# Allegro board PandaX_III_V3.brd (continued)
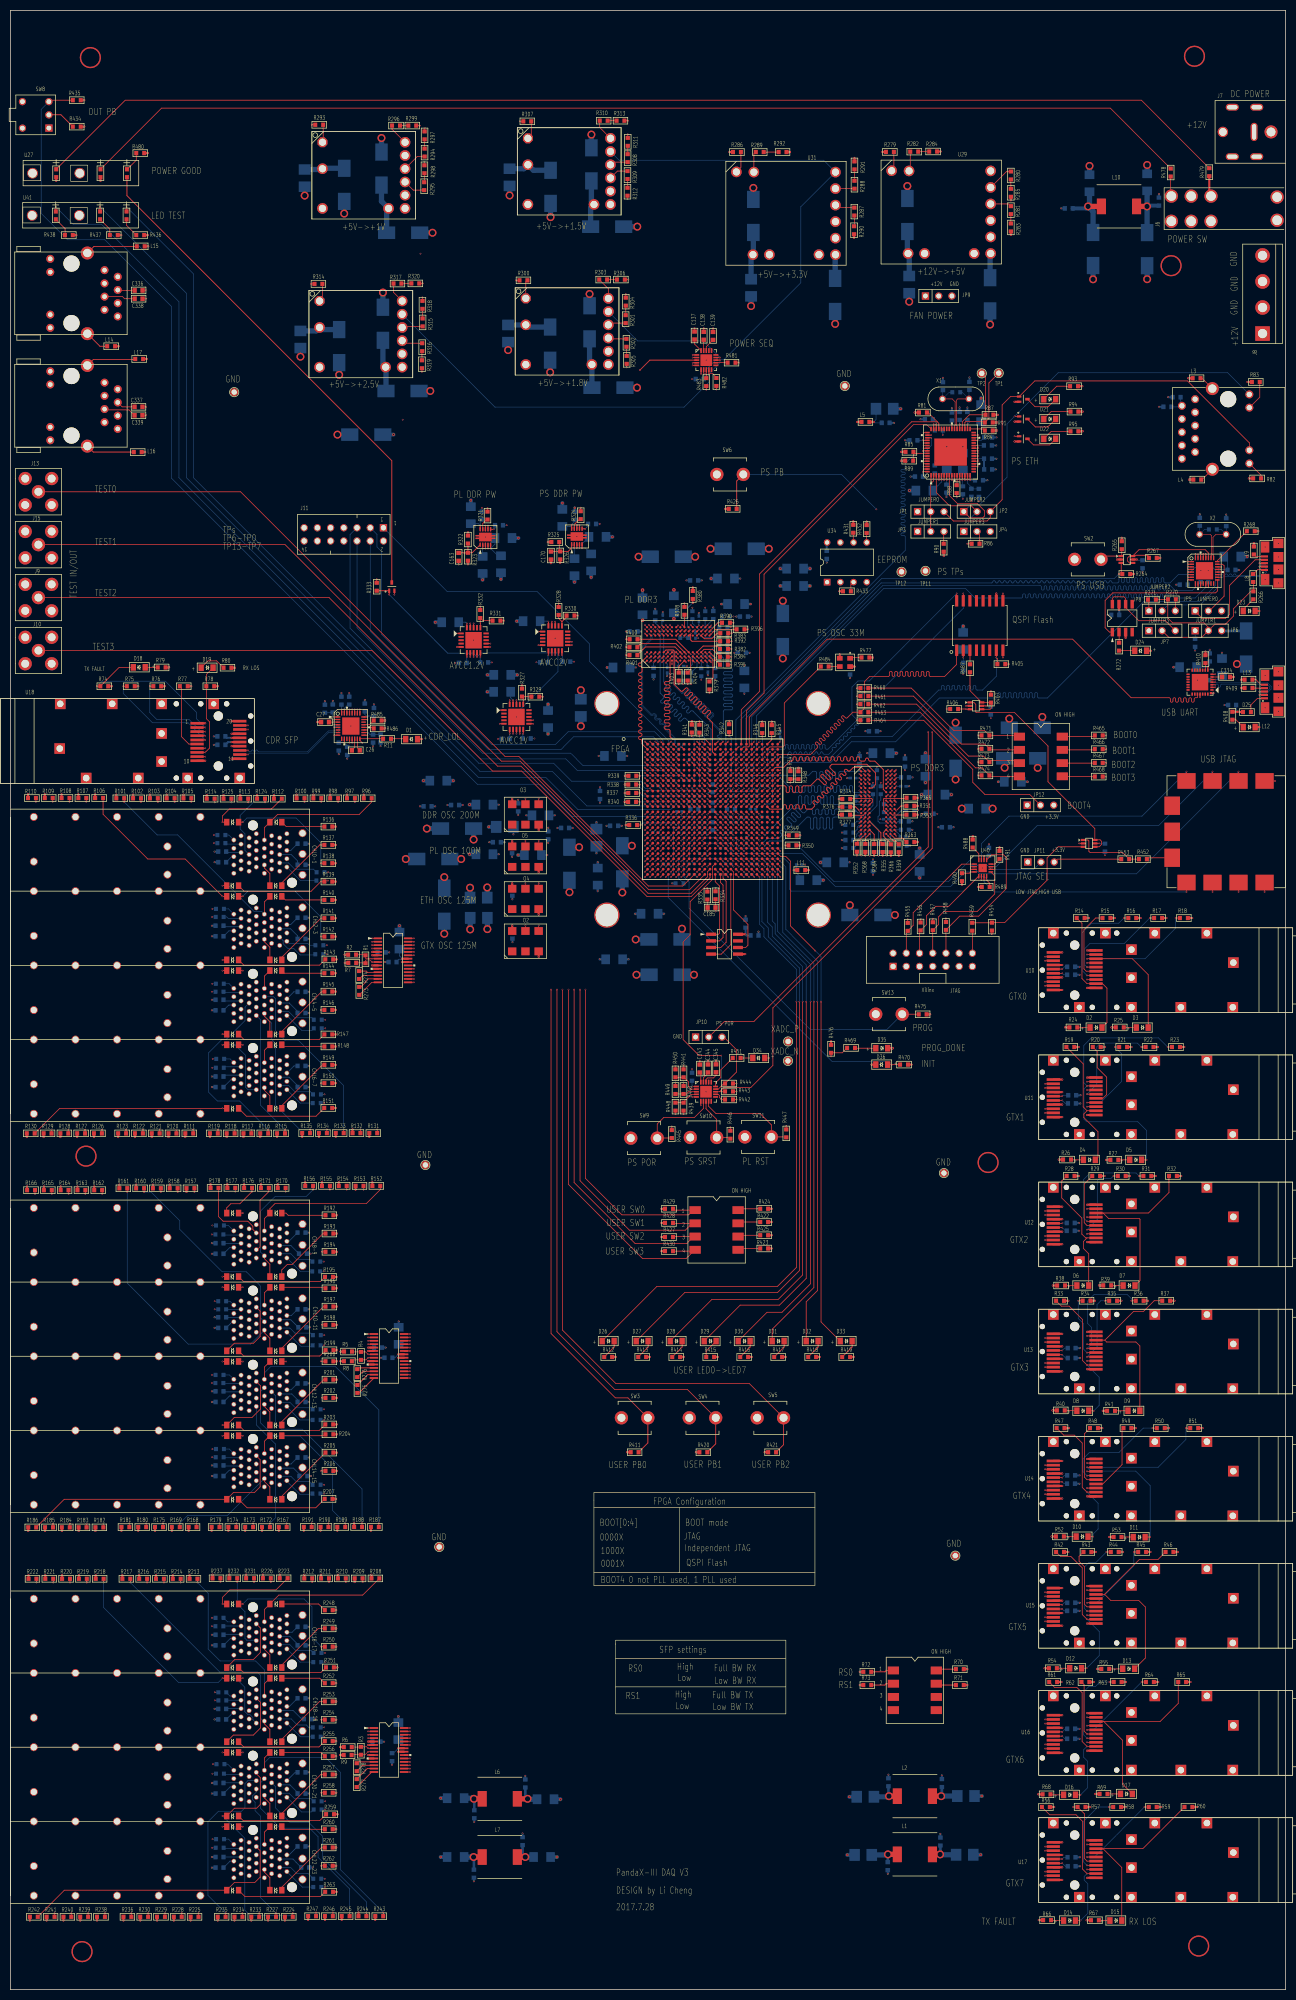
[diagram p0: board, top side]
## Footprints (pads in the part's own frame, mm; a bottom-side part is the same pattern mirrored in y, then rotated) (continued)
  rect 0.254x0.889 smd: 5(-0.749,-1.562) 6(-0.249,-1.562) 7(0.249,-1.562) 8(0.749,-1.562) 13(0.749,1.562) 14(0.249,1.562) 15(-0.249,1.562) 16(-0.749,1.562)
  rect 1.575x1.575 smd: 17(0,0)
QFN_20
  rect 1.016x0.356 smd: 1(-2.4,1.301) 2(-2.4,0.65) 3(-2.4,0) 4(-2.4,-0.65) 5(-2.4,-1.301) 11(2.4,-1.301) 12(2.4,-0.65) 13(2.4,0) 14(2.4,0.65) 15(2.4,1.301)
  rect 0.356x1.016 smd: 6(-1.301,-2.4) 7(-0.65,-2.4) 8(0,-2.4) 9(0.65,-2.4) 10(1.301,-2.4) 16(1.301,2.4) 17(0.65,2.4) 18(0,2.4) 19(-0.65,2.4) 20(-1.301,2.4)
  rect 3.15x3.15 smd: 21(0,0)
QFN_28
  rect 0.61x0.305 smd: 1(-2.296,1.501) 2(-2.296,1.001) 3(-2.296,0.5) 4(-2.296,0) 5(-2.296,-0.5) 6(-2.296,-1.001) 7(-2.296,-1.501) 15(2.296,-1.501) 16(2.296,-1.001) 17(2.296,-0.5) 18(2.296,0) 19(2.296,0.5) 20(2.296,1.001) 21(2.296,1.501)
  rect 0.305x0.61 smd: 8(-1.501,-2.296) 9(-1.001,-2.296) 10(-0.5,-2.296) 11(0,-2.296) 12(0.5,-2.296) 13(1.001,-2.296) 14(1.501,-2.296) 22(1.501,2.296) 23(1.001,2.296) 24(0.5,2.296) 25(0,2.296) 26(-0.5,2.296) 27(-1.001,2.296) 28(-1.501,2.296)
  rect 0.432x0.432 smd: 29(-2.108,2.108)
  rect 3.15x3.15 smd: 30(0,0)
QFN_64
  rect 0.864x0.305 smd: 1(-4.45,3.749) 2(-4.45,3.251) 3(-4.45,2.751) 4(-4.45,2.25) 5(-4.45,1.75) 6(-4.45,1.25) 7(-4.45,0.749) 8(-4.45,0.249) 9(-4.45,-0.249) 10(-4.45,-0.749) 11(-4.45,-1.25) 12(-4.45,-1.75) 13(-4.45,-2.25) 14(-4.45,-2.751) 15(-4.45,-3.251) 16(-4.45,-3.749) 33(4.45,-3.749) 34(4.45,-3.251) 35(4.45,-2.751) 36(4.45,-2.25) 37(4.45,-1.75) 38(4.45,-1.25) 39(4.45,-0.749) 40(4.45,-0.249) 41(4.45,0.249) 42(4.45,0.749) 43(4.45,1.25) 44(4.45,1.75) 45(4.45,2.25) 46(4.45,2.751) 47(4.45,3.251) 48(4.45,3.749)
  rect 0.305x0.864 smd: 17(-3.749,-4.45) 18(-3.251,-4.45) 19(-2.751,-4.45) 20(-2.25,-4.45) 21(-1.75,-4.45) 22(-1.25,-4.45) 23(-0.749,-4.45) 24(-0.249,-4.45) 25(0.249,-4.45) 26(0.749,-4.45) 27(1.25,-4.45) 28(1.75,-4.45) 29(2.25,-4.45) 30(2.751,-4.45) 31(3.251,-4.45) 32(3.749,-4.45) 49(3.749,4.45) 50(3.251,4.45) 51(2.751,4.45) 52(2.25,4.45) 53(1.75,4.45) 54(1.25,4.45) 55(0.749,4.45) 56(0.249,4.45) 57(-0.249,4.45) 58(-0.749,4.45) 59(-1.25,4.45) 60(-1.75,4.45) 61(-2.25,4.45) 62(-2.751,4.45) 63(-3.251,4.45) 64(-3.749,4.45)
  rect 5.207x6.248 smd: 65(0,0)
R-PDSS-T10_CZ
  rrect 1.905x1.905 hole 1.397: 1(-7.935,6.35)
  round 2.032 hole 1.397: 2(-7.935,1.27) 3(-7.935,-6.35) 4(4.765,-6.35) 5(7.935,-6.35) 6(7.935,-3.81) 7(7.935,-1.27) 8(7.935,1.27) 9(7.935,3.81) 10(7.935,6.35)
RJ45-HFJ11-1G01E-L12RL
  round 3.099 hole 3.251 unplated: (-11.43,0) (0,0)
  round 1.524 hole 1.016: 1(-11.43,8.89) 2(-10.16,6.35) 3(-8.89,8.89) 4(-7.62,6.35) 5(-6.35,8.89) 6(-5.08,6.35) 7(-3.81,8.89) 8(-2.54,6.35) 9(-1.27,8.89) 10(0,6.35) 11(-12.344,-4.064) 12(-9.804,-4.064) 13(-1.626,-4.064) 14(0.914,-4.064)
  round 2.489 hole 1.6: 15(-13.462,3.048) 16(2.032,3.048)
RJ45_HFJ11-100M
  round 3.099 hole 3.251 unplated: (-5.715,0) (5.715,0)
  round 1.524 hole 0.889: 1(-4.45,6.35) 2(-3.18,8.89) 3(-1.91,6.35) 4(-0.64,8.89) 5(0.63,6.35) 6(1.9,8.89) 7(3.17,6.35) 8(4.44,8.89) 9(-6.624,-4.079) 10(-4.084,-4.079) 11(4.084,-4.079) 12(6.624,-4.079)
  round 2.489 hole 1.6: SH1(-7.745,3.05) SH2(7.745,3.05)
SC70_6
  rect 1.016x0.406 smd: 1(-1.1,0.658) 2(-1.1,0) 3(-1.1,-0.658) 4(1.1,-0.658) 5(1.1,0) 6(1.1,0.658)
SC0402
  rect 0.635x0.508 smd: 1(-0.508,0) 2(0.508,0)
SC0603
  rect 0.813x0.889 smd: 1(-0.762,0) 2(0.762,0)
SD0805
  rect 1.016x1.27 smd: 1(-1.143,0) 2(1.143,0)
SIP-3P
  rect 1.397x1.397 hole 0.914: 1(-2.54,0)
  round 1.397 hole 0.914: 2(0,0) 3(2.54,0)
SIP-4P-196
  rect 2.794x2.794 hole 1.778: 1(-5.944,0)
  round 2.794 hole 1.778: 2(-0.944,0) 3(4.056,0) 4(9.056,0)
SO16_WIDE
  rect 0.584x2.184 smd: 1(-4.445,-4.75) 2(-3.175,-4.75) 3(-1.905,-4.75) 4(-0.635,-4.75) 5(0.635,-4.75) 6(1.905,-4.75) 7(3.175,-4.75) 8(4.445,-4.75) 9(4.445,4.75) 10(3.175,4.75) 11(1.905,4.75) 12(0.635,4.75) 13(-0.635,4.75) 14(-1.905,4.75) 15(-3.175,4.75) 16(-4.445,4.75)
SOIC_8
  rect 1.905x0.635 smd: 1(-2.578,1.905) 2(-2.578,0.635) 3(-2.578,-0.635) 4(-2.578,-1.905) 5(2.578,-1.905) 6(2.578,-0.635) 7(2.578,0.635) 8(2.578,1.905)
SON10_TPS51200
  custom 0.07x0.07 smd: 1(-1.001,-1.476) 2(-0.5,-1.476) 3(0,-1.476) 4(0.5,-1.476) 5(1.001,-1.476) 6(1.001,1.476) 7(0.5,1.476) 8(0,1.476) 9(-0.5,1.476) 10(-1.001,1.476)
  custom 0.413x0.413 smd: 11(0,0)
SOP127P500X600_8
  rect 1.651x0.635 smd: 1(-2.68,1.905) 2(-2.68,0.635) 3(-2.68,-0.635) 4(-2.68,-1.905) 5(2.68,-1.905) 6(2.68,-0.635) 7(2.68,0.635) 8(2.68,1.905)
SR0603
  rect 0.762x0.813 smd: 1(-0.762,0) 2(0.762,0)
SW-PUSH-DOWN
  rect 1.397x1.397 hole 0.914: 1(-2.54,2.54)
  round 1.397 hole 0.914: 2(-2.54,0) 3(-2.54,-2.54) 4(2.54,2.54) 5(2.54,-2.54)
SW_SDA_8P
  rect 2.159x1.499 smd: 1(-4.128,3.81) 2(-4.128,1.27) 3(-4.128,-1.27) 4(-4.128,-3.81) 5(4.128,-3.81) 6(4.128,-1.27) 7(4.128,1.27) 8(4.128,3.81)
TQFN_20
  rect 0.95x0.3 smd: 1(-1.839,1.001) 2(-1.839,0.5) 3(-1.839,0) 4(-1.839,-0.5) 5(-1.839,-1.001) 11(1.839,-1.001) 12(1.839,-0.5) 13(1.839,0) 14(1.839,0.5) 15(1.839,1.001)
  rect 0.3x0.95 smd: 6(-1.001,-1.839) 7(-0.5,-1.839) 8(0,-1.839) 9(0.5,-1.839) 10(1.001,-1.839) 16(1.001,1.839) 17(0.5,1.839) 18(0,1.839) 19(-0.5,1.839) 20(-1.001,1.839)
  rect 2.23x2.23 smd: 21(0,0)
TSSOP_28
  rect 1.626x0.33 smd: 1(-2.901,4.224) 2(-2.901,3.574) 3(-2.901,2.926) 4(-2.901,2.276) 5(-2.901,1.626) 6(-2.901,0.975) 7(-2.901,0.325) 8(-2.901,-0.325) 9(-2.901,-0.975) 10(-2.901,-1.626) 11(-2.901,-2.276) 12(-2.901,-2.926) 13(-2.901,-3.574) 14(-2.901,-4.224) 15(2.901,-4.224) 16(2.901,-3.574) 17(2.901,-2.926) 18(2.901,-2.276) 19(2.901,-1.626) 20(2.901,-0.975) 21(2.901,-0.325) 22(2.901,0.325) 23(2.901,0.975) 24(2.901,1.626) 25(2.901,2.276) 26(2.901,2.926) 27(2.901,3.574) 28(2.901,4.224)
unnamed
  round 4.826 hole 4.318: (0,0)
USB3320_QFN32
  rect 0.864x0.254 smd: 1(-2.451,1.75) 2(-2.451,1.25) 3(-2.451,0.749) 4(-2.451,0.249) 5(-2.451,-0.249) 6(-2.451,-0.749) 7(-2.451,-1.25) 8(-2.451,-1.75) 17(2.451,-1.75) 18(2.451,-1.25) 19(2.451,-0.749) 20(2.451,-0.249) 21(2.451,0.249) 22(2.451,0.749) 23(2.451,1.25) 24(2.451,1.75)
  rect 0.254x0.864 smd: 9(-1.75,-2.451) 10(-1.25,-2.451) 11(-0.749,-2.451) 12(-0.249,-2.451) 13(0.249,-2.451) 14(0.749,-2.451) 15(1.25,-2.451) 16(1.75,-2.451) 25(1.75,2.451) 26(1.25,2.451) 27(0.749,2.451) 28(0.249,2.451) 29(-0.249,2.451) 30(-0.749,2.451) 31(-1.25,2.451) 32(-1.75,2.451)
  rect 3.302x3.302 smd: 33(0,0)
XO32
  rect 0.899x1.1 smd: 1(-0.8,1) 2(-0.8,-1) 3(0.8,-1) 4(0.8,1)
XO75L
  rect 1.6x1.499 smd: 1(-2.54,-1.956) 2(0,-1.956) 3(2.54,-1.956) 4(2.54,1.956) 5(0,1.956) 6(-2.54,1.956)
XTAL2-200A
  round 1.27 hole 0.813: 1(-2.54,0) 2(2.54,0)

## Nets
AVCC1V: C178.1 C227.1 C228.1 C229.1 R327.1 U1.AA4(MGTAVCC#AA4) U1.AA8(MGTAVCC#AA8) U1.AB6(MGTAVCC#AB6) U1.AC8(MGTAVCC#AC8) U1.AD6(MGTAVCC#AD6) U1.AE8(MGTAVCC#AE8) U1.R4(MGTAVCC#R4) U1.T6(MGTAVCC#T6) U1.U4(MGTAVCC#U4) U1.Y6(MGTAVCC#Y6) U20.1(OUT1) U20.18(OUT2) U20.19(OUT3) U20.20(OUT4)
AVCC1V2: C183.1 C230.1 R331.1 R344.2 U1.AB2(MGTAVTT#AB2) U1.AB7(MGTAVTTRCAL_112) U1.AC4(MGTAVTT#AC4) U1.AD2(MGTAVTT#AD2) U1.AE4(MGTAVTT#AE4) U1.AF2(MGTAVTT#AF2) U1.AF6(MGTAVTT#AF6) U1.T2(MGTAVTT#T2) U1.V2(MGTAVTT#V2) U1.W4(MGTAVTT#W4) U1.Y2(MGTAVTT#Y2) U22.1(OUT1) U22.18(OUT2) U22.19(OUT3) U22.20(OUT4)
AVCC2V: C179.1 C226.1 R328.1 U1.M10(VCCAUX_IO_G0#M10) U1.P10(VCCAUX_IO_G0#P10) U1.T10(VCCAUX_IO_G0#T10) U21.1(OUT1) U21.18(OUT2) U21.19(OUT3) U21.20(OUT4)
GND: C7.2 C8.1 C9.1 C10.2 C11.1 C12.1 C13.2 C14.1 C15.1 C20.1 C21.1 C22.1 C23.1 C24.1 C25.1 C27.1 C30.1 C31.1 C32.1 C33.1 C34.2 C35.2 C36.2 C37.2 C38.2 C39.2 C40.2 C41.2 C42.2 C43.2 C44.2 C45.2 C46.2 C47.2 C48.2 C49.2 C50.2 C51.2 C52.2 C53.2 C54.2 C55.2 C56.2 C57.2 C58.2 C59.2 C60.2 C61.2 C62.2 C63.2 C64.2 C65.2 C66.2 C67.2 C68.2 C69.2 C70.1 C71.2 C72.2 C73.1 C74.1 C75.1 C76.1 C77.1 C78.1 C79.1 C80.1 C81.1 C82.1 C83.1 C84.1 C85.1 C86.1 C87.1 C88.1 C89.1 C90.1 C91.1 C92.1 C93.1 C94.1 C95.1 C96.1 C97.1 C98.1 C99.1 C100.1 C101.1 C102.1 C103.1 C104.1 C105.1 C106.1 C107.1 C108.1 C109.1 C110.1 C111.1 C112.1 C113.1 C114.1 C115.1 C116.1 C117.1 C118.1 C119.1 C120.1 C121.2 C122.2 C123.2 C124.2 C125.2 C126.2 C127.2 C128.2 C129.2 C130.2 C131.2 C132.2 C133.2 C134.2 C135.2 C136.2 C137.2 C138.2 C139.2 C140.2 C141.2 C142.2 C143.2 C144.2 C145.2 C146.2 C147.2 C148.2 C149.2 C150.2 C151.2 C152.2 C153.2 C154.2 C155.2 C156.2 C157.2 C158.2 C159.2 C160.2 C161.2 C162.2 C163.2 C164.2 C165.2 C166.2 C167.2 C168.2 C169.2 C170.2 C171.2 C172.2 C173.2 C174.2 C175.2 C176.2 C177.2 C178.2 C179.2 C180.2 C181.2 C182.2 C183.2 C184.2 C186.2 C187.1 C188.1 C189.1 C190.1 C191.2 C192.2 C193.2 C194.2 C195.2 C196.2 C197.2 C198.2 C199.2 C200.2 C201.2 C203.2 C204.2 C205.2 C206.2 C207.2 C208.2 C209.2 C210.2 C211.2 C212.2 C213.2 C214.2 C215.2 C216.2 C217.2 C218.2 C219.2 C220.2 C221.2 C222.2 C223.2 C224.2 C225.2 C226.2 C227.2 C228.2 C229.2 C230.2 C231.2 C232.2 C233.2 C234.2 C235.2 C236.2 C237.2 C238.2 C239.2 C240.2 C241.2 C242.2 C243.2 C244.2 C245.2 C246.2 C247.2 C248.2 C249.2 C250.2 C251.2 C252.2 C253.2 C254.2 C255.2 C256.2 C257.2 C258.2 C259.2 C260.2 C261.2 C262.2 C263.2 C264.2 C265.2 C266.2 C267.2 C268.2 C269.2 C270.2 C271.2 C272.2 C273.2 C274.2 C275.2 C276.2 C277.2 C278.2 C279.2 C280.2 C281.2 C282.2 C283.2 C284.2 C285.2 C286.2 C287.2 C288.2 C289.2 C290.2 C291.2 C292.2 C293.2 C294.2 C295.2 C296.2 C297.2 C298.2 C299.2 C300.2 C301.2 C302.2 C303.2 C304.2 C305.2 C306.2 C307.2 C308.2 C309.2 C310.2 C311.2 C312.2 C313.2 C314.2 C315.2 C316.2 C317.2 C318.2 C319.2 C320.2 C321.2 C322.2 C323.2 C324.2 C325.2 C326.2 C327.2 C328.2 C329.2 C330.2 C331.2 C332.2 C333.2 C334.2 C335.2 C340.2 C341.2 C342.2 C343.2 C344.2 C345.2 C346.2 C347.2 C348.2 C350.2 C351.2 C354.2 C355.2 C357.2 C358.2 C481.2 C482.2 C483.2 C484.2 C485.2 C486.2 C487.2 C488.2 C489.2 C490.2 C491.2 C492.2 C493.2 C494.2 C495.2 C496.2 C497.2 C498.2 C499.2 C500.1 C501.1 C502.1 C503.2 D23.2(CATHODE) D25.2(CATHODE) D35.2(CATHODE) D36.2(CATHODE) DU3.5(GND) J1.10(GND) J2.6(SHIELD6) J2.7(SHIELD4) J2.8(SHIELD2) J2.9(SHIELD3) J2.10(SHIELD1) J2.11(SHIELD5) J3.1L1(VEET#1L1) J3.1L3(TXDISABLE) J3.1L9(VEER#1L9) J3.1L10(VEER#1L10) J3.1L11(VEER#1L11) J3.1L14(VEER#1L14) J3.1L17(VEET#1L17) J3.1L20(VEET#1L20) J3.1T1(VEET#1T1) J3.1T3(TXDISABLE) J3.1T9(VEER#1T9) J3.1T10(VEER#1T10) J3.1T11(VEER#1T11) J3.1T14(VEER#1T14) J3.1T17(VEET#1T17) J3.1T20(VEET#1T20) J3.2L1(VEET#2L1) J3.2L3(TXDISABLE) J3.2L9(VEER#2L9) J3.2L10(VEER#2L10) J3.2L11(VEER#2L11) J3.2L14(VEER#2L14) J3.2L17(VEET#2L17) J3.2L20(VEET#2L20) J3.2T1(VEET#2T1) J3.2T3(TXDISABLE) J3.2T9(VEER#2T9) J3.2T10(VEER#2T10) J3.2T11(VEER#2T11) J3.2T14(VEER#2T14) J3.2T17(VEET#2T17) J3.2T20(VEET#2T20) J3.3L1(VEET#3L1) J3.3L3(TXDISABLE) J3.3L9(VEER#3L9) J3.3L10(VEER#3L10) J3.3L11(VEER#3L11) J3.3L14(VEER#3L14) J3.3L17(VEET#3L17) J3.3L20(VEET#3L20) J3.3T1(VEET#3T1) J3.3T3(TXDISABLE) J3.3T9(VEER#3T9) J3.3T10(VEER#3T10) J3.3T11(VEER#3T11) J3.3T14(VEER#3T14) J3.3T17(VEET#3T17) J3.3T20(VEET#3T20) J3.4L1(VEET#4L1) J3.4L3(TXDISABLE) J3.4L9(VEER#4L9) J3.4L10(VEER#4L10) J3.4L11(VEER#4L11) J3.4L14(VEER#4L14) J3.4L17(VEET#4L17) J3.4L20(VEET#4L20) J3.4T1(VEET#4T1) J3.4T3(TXDISABLE) J3.4T9(VEER#4T9) J3.4T10(VEER#4T10) J3.4T11(VEER#4T11) J3.4T14(VEER#4T14) J3.4T17(VEET#4T17) J3.4T20(VEET#4T20) J3.G1(GND#G1) J3.G2(GND#G2) J3.G3(GND#G3) J3.G4(GND#G4) J3.G5(GND#G5) J3.G6(GND#G6) J3.G7(GND#G7) J3.G8(GND#G8) J3.G9(GND#G9) J3.G10(GND#G10) J3.G11(GND#G11) J3.G12(GND#G12) J3.G21(GND#G21) J3.G22(GND#G22) J3.G23(GND#G23) J3.G24(GND#G24) J3.G25(GND#G25) J3.G26(GND#G26) J3.G27(GND#G27) J3.G28(GND#G28) J3.G29(GND#G29) J3.G30(GND#G30) J3.G31(GND#G31) J3.G32(GND#G32) J3.G33(GND#G33) J3.G34(GND#G34) J3.G35(GND#G35) J3.G36(GND#G36) J3.G37(GND#G37) J3.G38(GND#G38) J3.G39(GND#G39) J3.G40(GND#G40) J3.G41(GND#G41) J3.G42(GND#G42) J3.G43(GND#G43) J3.G44(GND#G44) J3.G45(GND#G45) J3.G46(GND#G46) J3.G47(GND#G47) J3.G48(GND#G48) J3.G49(GND#G49) J3.G50(GND#G50) J3.G51(GND#G51) J3.G52(GND#G52) J3.G53(GND#G53) J3.G54(GND#G54) J3.G55(GND#G55) J3.G56(GND#G56) J3.G57(GND#G57) J4.1L1(VEET#1L1) J4.1L3(TXDISABLE) J4.1L9(VEER#1L9) J4.1L10(VEER#1L10) J4.1L11(VEER#1L11) J4.1L14(VEER#1L14) J4.1L17(VEET#1L17) J4.1L20(VEET#1L20) J4.1T1(VEET#1T1) J4.1T3(TXDISABLE) J4.1T9(VEER#1T9) J4.1T10(VEER#1T10) J4.1T11(VEER#1T11) J4.1T14(VEER#1T14) J4.1T17(VEET#1T17) J4.1T20(VEET#1T20) J4.2L1(VEET#2L1) J4.2L3(TXDISABLE) J4.2L9(VEER#2L9) J4.2L10(VEER#2L10) J4.2L11(VEER#2L11) J4.2L14(VEER#2L14) J4.2L17(VEET#2L17) J4.2L20(VEET#2L20) J4.2T1(VEET#2T1) J4.2T3(TXDISABLE) J4.2T9(VEER#2T9) J4.2T10(VEER#2T10) J4.2T11(VEER#2T11) J4.2T14(VEER#2T14) J4.2T17(VEET#2T17) J4.2T20(VEET#2T20) J4.3L1(VEET#3L1) J4.3L3(TXDISABLE) J4.3L9(VEER#3L9) J4.3L10(VEER#3L10) J4.3L11(VEER#3L11) J4.3L14(VEER#3L14) J4.3L17(VEET#3L17) J4.3L20(VEET#3L20) J4.3T1(VEET#3T1) J4.3T3(TXDISABLE) J4.3T9(VEER#3T9) J4.3T10(VEER#3T10) J4.3T11(VEER#3T11) J4.3T14(VEER#3T14) J4.3T17(VEET#3T17) J4.3T20(VEET#3T20) J4.4L1(VEET#4L1) J4.4L3(TXDISABLE) J4.4L9(VEER#4L9) J4.4L10(VEER#4L10) J4.4L11(VEER#4L11) J4.4L14(VEER#4L14) J4.4L17(VEET#4L17) J4.4L20(VEET#4L20) J4.4T1(VEET#4T1) J4.4T3(TXDISABLE) J4.4T9(VEER#4T9) J4.4T10(VEER#4T10) J4.4T11(VEER#4T11) J4.4T14(VEER#4T14) J4.4T17(VEET#4T17) J4.4T20(VEET#4T20) J4.G1(GND#G1) J4.G2(GND#G2) J4.G3(GND#G3) J4.G4(GND#G4) J4.G5(GND#G5) J4.G6(GND#G6) J4.G7(GND#G7) J4.G8(GND#G8) J4.G9(GND#G9) J4.G10(GND#G10) J4.G11(GND#G11) J4.G12(GND#G12) J4.G21(GND#G21) J4.G22(GND#G22) J4.G23(GND#G23) J4.G24(GND#G24) J4.G25(GND#G25) J4.G26(GND#G26) J4.G27(GND#G27) J4.G28(GND#G28) J4.G29(GND#G29) J4.G30(GND#G30) J4.G31(GND#G31) J4.G32(GND#G32) J4.G33(GND#G33) J4.G34(GND#G34) J4.G35(GND#G35) J4.G36(GND#G36) J4.G37(GND#G37) J4.G38(GND#G38) J4.G39(GND#G39) J4.G40(GND#G40) J4.G41(GND#G41) J4.G42(GND#G42) J4.G43(GND#G43) J4.G44(GND#G44) J4.G45(GND#G45) J4.G46(GND#G46) J4.G47(GND#G47) J4.G48(GND#G48) J4.G49(GND#G49) J4.G50(GND#G50) J4.G51(GND#G51) J4.G52(GND#G52) J4.G53(GND#G53) J4.G54(GND#G54) J4.G55(GND#G55) J4.G56(GND#G56) J4.G57(GND#G57) J5.1L1(VEET#1L1) J5.1L3(TXDISABLE) J5.1L9(VEER#1L9) J5.1L10(VEER#1L10) J5.1L11(VEER#1L11) J5.1L14(VEER#1L14) J5.1L17(VEET#1L17) J5.1L20(VEET#1L20) J5.1T1(VEET#1T1) J5.1T3(TXDISABLE) J5.1T9(VEER#1T9) J5.1T10(VEER#1T10) J5.1T11(VEER#1T11) J5.1T14(VEER#1T14) J5.1T17(VEET#1T17) J5.1T20(VEET#1T20) J5.2L1(VEET#2L1) J5.2L3(TXDISABLE) J5.2L9(VEER#2L9) J5.2L10(VEER#2L10) J5.2L11(VEER#2L11) J5.2L14(VEER#2L14) J5.2L17(VEET#2L17) J5.2L20(VEET#2L20) J5.2T1(VEET#2T1) J5.2T3(TXDISABLE) J5.2T9(VEER#2T9) J5.2T10(VEER#2T10) J5.2T11(VEER#2T11) J5.2T14(VEER#2T14) J5.2T17(VEET#2T17) J5.2T20(VEET#2T20) J5.3L1(VEET#3L1) J5.3L3(TXDISABLE) J5.3L9(VEER#3L9) J5.3L10(VEER#3L10) J5.3L11(VEER#3L11) J5.3L14(VEER#3L14) J5.3L17(VEET#3L17) J5.3L20(VEET#3L20) J5.3T1(VEET#3T1) J5.3T3(TXDISABLE) J5.3T9(VEER#3T9) J5.3T10(VEER#3T10) J5.3T11(VEER#3T11) J5.3T14(VEER#3T14) J5.3T17(VEET#3T17) J5.3T20(VEET#3T20) J5.4L1(VEET#4L1) J5.4L3(TXDISABLE) J5.4L9(VEER#4L9) J5.4L10(VEER#4L10) J5.4L11(VEER#4L11) J5.4L14(VEER#4L14) J5.4L17(VEET#4L17) J5.4L20(VEET#4L20) J5.4T1(VEET#4T1) J5.4T3(TXDISABLE) J5.4T9(VEER#4T9) J5.4T10(VEER#4T10) J5.4T11(VEER#4T11) J5.4T14(VEER#4T14) J5.4T17(VEET#4T17) J5.4T20(VEET#4T20) J5.G1(GND#G1) J5.G2(GND#G2) J5.G3(GND#G3) J5.G4(GND#G4) J5.G5(GND#G5) J5.G6(GND#G6) J5.G7(GND#G7) J5.G8(GND#G8) J5.G9(GND#G9) J5.G10(GND#G10) J5.G11(GND#G11) J5.G12(GND#G12) J5.G21(GND#G21) J5.G22(GND#G22) J5.G23(GND#G23) J5.G24(GND#G24) J5.G25(GND#G25) J5.G26(GND#G26) J5.G27(GND#G27) J5.G28(GND#G28) J5.G29(GND#G29) J5.G30(GND#G30) J5.G31(GND#G31) J5.G32(GND#G32) J5.G33(GND#G33) J5.G34(GND#G34) J5.G35(GND#G35) J5.G36(GND#G36) J5.G37(GND#G37) J5.G38(GND#G38) J5.G39(GND#G39) J5.G40(GND#G40) J5.G41(GND#G41) J5.G42(GND#G42) J5.G43(GND#G43) J5.G44(GND#G44) J5.G45(GND#G45) J5.G46(GND#G46) J5.G47(GND#G47) J5.G48(GND#G48) J5.G49(GND#G49) J5.G50(GND#G50) J5.G51(GND#G51) J5.G52(GND#G52) J5.G53(GND#G53) J5.G54(GND#G54) J5.G55(GND#G55) J5.G56(GND#G56) J5.G57(GND#G57) J6.7(GND1) J6.8(GND2) J7.2(GND) J7.3(GND1) J7.4(GND2) J7.5(GND3) J7.6(GND4) J7.7(GND5) J8.2 J8.3 J8.4 J9.2 J9.3 J9.4 J9.5 J10.2 J10.3 J10.4 J10.5 J12.1 J12.3 J12.5 J12.7 J12.9 J12.11 J12.13 J13.2 J13.3 J13.4 J13.5 J14.6(SHIELD6) J14.7(SHIELD4) J14.8(SHIELD2) J14.9(SHIELD3) J14.10(SHIELD1) J14.11(SHIELD5) J15.2 J15.3 J15.4 J15.5 JP4.3 JP9.3 JP10.1 JP11.1 JP12.1 L3.1 L4.1 L9.2 L13.2 L14.1 L15.1 L16.1 L17.1 O1.2(GND) O2.3(GND) O3.3(GND) O4.3(GND) O5.3(GND) Q1.1(S) Q2.1(S) Q3.1(S) Q4.1(S) R7.2 R8.2 R9.2 R72.1 R73.1 R84.1 R87.1 R88.1 R89.1 R90.1 R91.1 R268.1 R279.1 R283.1 R284.1 R286.1 R291.1 R292.1 R293.1 R298.1 R299.1 R300.1 R305.1 R306.1 R307.1 R312.1 R313.1 R314.1 R319.1 R320.1 R323.1 R326.1 R329.2 R330.2 R332.2 R339.1 R340.1 R341.1 R343.1 R346.1 R348.1 R350.1 R352.1 R353.1 R379.1 R380.1 R409.1 R411.1 R412.2 R413.2 R414.2 R415.2 R416.2 R417.2 R418.2 R419.2 R420.1 R421.1 R426.1 R427.1 R428.1 R429.1 R430.1 R435.1 R436.2 R437.2 R438.2 R448.1 R449.1 R450.1 R471.1 R472.1 R473.1 R474.1 SW2.1 SW8.1(GND2) SW8.4(GND3) SW8.5(GND1) SW9.1 SW10.1 SW11.1 SW13.1 TP3.1(TP) TP4.1(TP) TP5.1(TP) TP6.1(TP) TP7.1(TP) TP8.1(TP) U1.A1(GND#A1) U1.A11(GND#A11) U1.A21(GND#A21) U1.AA3(GND#AA3) U1.AA7(GND#AA7) U1.AA9(GND#AA9) U1.AA11(GND#AA11) U1.AA21(GND#AA21) U1.AB1(GND#AB1) U1.AB5(GND#AB5) U1.AB9(GND#AB9) U1.AB18(GND#AB18) U1.AC3(GND#AC3) U1.AC7(GND#AC7) U1.AC9(GND#AC9) U1.AC15(GND#AC15) U1.AC25(GND#AC25) U1.AD1(GND#AD1) U1.AD5(GND#AD5) U1.AD9(GND#AD9) U1.AD12(GND#AD12) U1.AD22(GND#AD22) U1.AE3(GND#AE3) U1.AE7(GND#AE7) U1.AE9(GND#AE9) U1.AE19(GND#AE19) U1.AF1(GND#AF1) U1.AF5(GND#AF5) U1.AF9(GND#AF9) U1.AF16(GND#AF16) U1.AF26(GND#AF26) U1.B8(GND#B8) U1.B18(GND#B18) U1.C5(GND#C5) U1.C15(GND#C15) U1.C25(GND#C25) U1.D2(GND#D2) U1.D12(GND#D12) U1.D22(GND#D22) U1.E9(GND#E9) U1.E19(GND#E19) U1.F6(GND#F6) U1.F16(GND#F16) U1.F26(GND#F26) U1.G3(GND#G3) U1.G13(GND#G13) U1.G23(GND#G23) U1.H10(GND#H10) U1.H20(GND#H20) U1.J7(GND#J7) U1.J17(GND#J17) U1.K4(GND#K4) U1.K14(GND#K14) U1.K24(GND#K24) U1.L1(GND#L1) U1.L10(GND#L10) U1.L12(GND#L12) U1.L14(GND#L14) U1.L16(GND#L16) U1.L18(GND#L18) U1.L21(GND#L21) U1.M9(GND#M9) U1.M11(GND#M11) U1.M13(GNDADC_0) U1.M15(GND#M15) U1.M17(GND#M17) U1.M19(GND#M19) U1.N5(GND#N5) U1.N10(GND#N10) U1.N12(GND#N12) U1.N13(VREFN_0) U1.N16(GND#N16) U1.N18(GND#N18) U1.N25(GND#N25) U1.P1(GND#P1) U1.P2(GND#P2) U1.P3(GND#P3) U1.P4(GND#P4) U1.P5(GND#P5) U1.P6(GND#P6) U1.P7(GND#P7) U1.P9(GND#P9) U1.P11(GND#P11) U1.P14(VREFP_0) U1.P15(GND#P15) U1.P17(GND#P17) U1.P19(GND#P19) U1.P22(GND#P22) U1.R3(GND#R3) U1.R7(GND#R7) U1.R10(GND#R10) U1.R12(GND#R12) U1.R13(DXN_0) U1.R14(DXP_0) U1.R16(GND#R16) U1.R18(GND#R18) U1.T1(GND#T1) U1.T5(GND#T5) U1.T9(GND#T9) U1.T11(GND#T11) U1.T13(GND#T13) U1.T15(GND#T15) U1.T17(GND#T17) U1.T19(GND#T19) U1.T26(GND#T26) U1.U3(GND#U3) U1.U7(GND#U7) U1.U10(GND#U10) U1.U12(GND#U12) U1.U14(GND#U14) U1.U16(GND#U16) U1.U18(GND#U18) U1.U23(GND#U23) U1.V1(GND#V1) U1.V5(GND#V5) U1.V7(GND#V7) U1.V13(RSVDGND) U1.V15(VCCBATT_0) U1.V17(GND#V17) U1.V20(GND#V20) U1.W3(GND#W3) U1.W7(GND#W7) U1.Y1(GND#Y1) U1.Y5(GND#Y5) U1.Y7(GND#Y7) U1.Y8(GND#Y8) U1.Y9(GND#Y9) U1.Y14(GND#Y14) U1.Y24(GND#Y24) U2.6(VSS#6) U2.9(VSS#9) U2.21(VSS#21) U3.6(VSS#6) U3.9(VSS#9) U3.21(VSS#21) U4.8(VEE#8) U4.13(VEE#13) U4.17(VEE#17) U4.19(SADDR5) U4.23(VEE#23) U4.27(SQUELCH) U4.30(VEE#30) U4.33(EP) U6.12(DIS_REG12) U6.65(EPAD) U7.2(GND) U8.33(CTR_GND) U9.3(GND) U10.1(VEET#1) U10.10(VEER#10) U10.11(VEER#11) U10.14(VEER#14) U10.17(VEET#17) U10.20(VEET#20) U10.23(GND#23) U10.24(GND#24) U10.26(GND#26) U10.29(GND#29) U10.34(GND#34) U10.37(GND#37) U10.38(GND#38) U10.39(GND#39) U10.40(GND#40) U10.41(GND#41) U10.42(GND#42) U11.1(VEET#1) U11.10(VEER#10) U11.11(VEER#11) U11.14(VEER#14) U11.17(VEET#17) U11.20(VEET#20) U11.23(GND#23) U11.24(GND#24) U11.26(GND#26) U11.29(GND#29) U11.34(GND#34) U11.37(GND#37) U11.38(GND#38) U11.39(GND#39) U11.40(GND#40) U11.41(GND#41) U11.42(GND#42) U12.1(VEET#1) U12.10(VEER#10) U12.11(VEER#11) U12.14(VEER#14) U12.17(VEET#17) U12.20(VEET#20) U12.23(GND#23) U12.24(GND#24) U12.26(GND#26) U12.29(GND#29) U12.34(GND#34) U12.37(GND#37) U12.38(GND#38) U12.39(GND#39) U12.40(GND#40) U12.41(GND#41) U12.42(GND#42) U13.1(VEET#1) U13.10(VEER#10) U13.11(VEER#11) U13.14(VEER#14) U13.17(VEET#17) U13.20(VEET#20) U13.23(GND#23) U13.24(GND#24) U13.26(GND#26) U13.29(GND#29) U13.34(GND#34) U13.37(GND#37) U13.38(GND#38) U13.39(GND#39) U13.40(GND#40) U13.41(GND#41) U13.42(GND#42) U14.1(VEET#1) U14.10(VEER#10) U14.11(VEER#11) U14.14(VEER#14) U14.17(VEET#17) U14.20(VEET#20) U14.23(GND#23) U14.24(GND#24) U14.26(GND#26) U14.29(GND#29) U14.34(GND#34) U14.37(GND#37) U14.38(GND#38) U14.39(GND#39) U14.40(GND#40) U14.41(GND#41) U14.42(GND#42) U15.1(VEET#1) U15.10(VEER#10) U15.11(VEER#11) U15.14(VEER#14) U15.17(VEET#17) U15.20(VEET#20) U15.23(GND#23) U15.24(GND#24) U15.26(GND#26) U15.29(GND#29) U15.34(GND#34) U15.37(GND#37) U15.38(GND#38) U15.39(GND#39) U15.40(GND#40) U15.41(GND#41) U15.42(GND#42) U16.1(VEET#1) U16.10(VEER#10) U16.11(VEER#11) U16.14(VEER#14) U16.17(VEET#17) U16.20(VEET#20) U16.23(GND#23) U16.24(GND#24) U16.26(GND#26) U16.29(GND#29) U16.34(GND#34) U16.37(GND#37) U16.38(GND#38) U16.39(GND#39) U16.40(GND#40) U16.41(GND#41) U16.42(GND#42) U17.1(VEET#1) U17.10(VEER#10) U17.11(VEER#11) U17.14(VEER#14) U17.17(VEET#17) U17.20(VEET#20) U17.23(GND#23) U17.24(GND#24) U17.26(GND#26) U17.29(GND#29) U17.34(GND#34) U17.37(GND#37) U17.38(GND#38) U17.39(GND#39) U17.40(GND#40) U17.41(GND#41) U17.42(GND#42) U18.1(VEET#1) U18.10(VEER#10) U18.11(VEER#11) U18.14(VEER#14) U18.17(VEET#17) U18.20(VEET#20) U18.23(GND#23) U18.24(GND#24) U18.26(GND#26) U18.29(GND#29) U18.34(GND#34) U18.37(GND#37) U18.38(GND#38) U18.39(GND#39) U18.40(GND#40) U18.41(GND#41) U18.42(GND#42) U19.6(VSS#6) U19.9(VSS#9) U19.21(VSS#21) U20.12(GND) U20.21(THERMPAD) U21.12(GND) U21.21(THERMPAD) U22.12(GND) U22.21(THERMPAD) U23.3(GND) U23.6(-SENSE) U24.3(GND) U24.6(-SENSE) U25.3(GND) U25.6(-SENSE) U26.3(GND) U26.6(-SENSE) U27.4(OUT1) U27.6(OUT2) U28.4(PGND) U28.8(GND) U28.11(GND_PAD) U29.3(GND1) U29.4(GND2) U29.7(-SENSE) U30.5(TOL) U30.6(GND) U30.21(EP) U31.3(GND1) U31.4(GND2) U31.7(-SENSE) U32.4(PGND) U32.8(GND) U32.11(GND_PAD) U33.A9(VSS#A9) U33.B1(VSSQ#B1) U33.B3(VSS#B3) U33.B9(VSSQ#B9) U33.D1(VSSQ#D1) U33.D8(VSSQ#D8) U33.E1(VSS#E1) U33.E2(VSSQ#E2) U33.E8(VSSQ#E8) U33.F9(VSSQ#F9) U33.G1(VSSQ#G1) U33.G8(VSS#G8) U33.G9(VSSQ#G9) U33.J2(VSS#J2) U33.J8(VSS#J8) U33.M1(VSS#M1) U33.M9(VSS#M9) U33.P1(VSS#P1) U33.P9(VSS#P9) U33.T1(VSS#T1) U33.T9(VSS#T9) U34.1(A0) U34.2(A1) U34.4(VSS) U34.7(WP) U35.2(GND1) U35.29(SGND1) U35.30(SGND2) U36.2(GND) U37.10(VSS) U38.5(TOL) U38.6(GND) U38.21(EP) U39.1(GND2) U39.7(GND1) U40.6(GND) U40.17(EP) U42.2(GND) U43.A9(VSS#A9) U43.B1(VSSQ#B1) U43.B3(VSS#B3) U43.B9(VSSQ#B9) U43.D1(VSSQ#D1) U43.D8(VSSQ#D8) U43.E1(VSS#E1) U43.E2(VSSQ#E2) U43.E8(VSSQ#E8) U43.F9(VSSQ#F9) U43.G1(VSSQ#G1) U43.G8(VSS#G8) U43.G9(VSSQ#G9) U43.J2(VSS#J2) U43.J8(VSS#J8) U43.M1(VSS#M1) U43.M9(VSS#M9) U43.P1(VSS#P1) U43.P9(VSS#P9) U43.T1(VSS#T1) U43.T9(VSS#T9)
VCC1V: C148.1 C149.1 C232.1 C233.1 C234.1 C235.1 C236.1 C237.1 C238.1 C239.1 C240.1 C241.1 C242.1 C243.1 C244.1 C245.1 C246.1 C247.1 C248.1 C249.1 C250.1 C251.1 C252.1 C253.1 C254.1 C255.1 C261.1 C262.1 C263.1 C264.1 C266.1 C267.1 R297.1 U1.L11(VCCINT#L11) U1.L13(VCCINT#L13) U1.L15(VCCINT#L15) U1.L17(VCCPINT#L17) U1.M12(VCCINT#M12) U1.M16(VCCBRAM#M16) U1.N11(VCCINT#N11) U1.N15(VCCINT#N15) U1.N17(VCCPINT#N17) U1.P12(VCCINT#P12) U1.P16(VCCBRAM#P16) U1.P18(VCCPINT#P18) U1.R11(VCCINT#R11) U1.R15(VCCINT#R15) U1.R17(VCCPINT#R17) U1.T12(VCCINT#T12) U1.T14(VCCINT#T14) U1.T16(VCCBRAM#T16) U1.T18(VCCPINT#T18) U1.U11(VCCINT#U11) U1.U13(VCCINT#U13) U1.U15(VCCINT#U15) U1.U17(VCCPINT#U17) U1.V16(VCCBRAM#V16) U23.4(VO) U23.5(+SENSE) U30.2(IN1)
VCC1V5: C156.1 C157.1 C162.1 C169.1 C213.1 C214.1 C215.1 C216.1 C217.1 C218.1 C219.1 C220.1 C221.1 C280.1 C281.1 C282.1 C283.1 C284.1 C285.1 C286.1 C287.1 C288.1 C289.1 C290.1 C291.1 C292.1 C293.1 C294.1 C295.1 C296.1 C297.1 C298.1 C299.1 C300.1 C309.1 C310.1 C311.1 C312.1 C313.1 C314.1 C315.1 C316.1 C317.1 C318.1 R311.1 R322.2 R325.2 R338.2 R342.2 R349.2 U1.A6(VCCO_34#A6) U1.A16(VCCO_35#A16) U1.B3(VCCO_34#B3) U1.B13(VCCO_35#B13) U1.C10(VCCO_34#C10) U1.D7(VCCO_34#D7) U1.E14(VCCO_35#E14) U1.F11(VCCO_35#F11) U1.G8(VCCO_34#G8) U1.H15(VCCO_35#H15) U1.H25(VCCO_DDR_502#H25) U1.J12(VCCO_35#J12) U1.J22(VCCO_DDR_502#J22) U1.K9(VCCO_34#K9) U1.L26(VCCO_DDR_502#L26) U1.M23(VCCO_DDR_502#M23) U1.N20(VCCO_DDR_502#N20) U1.R24(VCCO_DDR_502#R24) U1.T21(VCCO_DDR_502#T21) U1.V25(VCCO_DDR_502#V25) U1.W22(VCCO_DDR_502#W22) U25.4(VO) U25.5(+SENSE) U28.2(VLDOIN) U30.4(IN3) U32.2(VLDOIN) U33.A1(VDDQ#A1) U33.A8(VDDQ#A8) U33.B2(VDD#B2) U33.C1(VDDQ#C1) U33.C9(VDDQ#C9) U33.D2(VDDQ#D2) U33.D9(VDD#D9) U33.E9(VDDQ#E9) U33.F1(VDDQ#F1) U33.G7(VDD#G7) U33.H2(VDDQ#H2) U33.H9(VDDQ#H9) U33.K2(VDD#K2) U33.K8(VDD#K8) U33.N1(VDD#N1) U33.N9(VDD#N9) U33.R1(VDD#R1) U33.R9(VDD#R9) U43.A1(VDDQ#A1) U43.A8(VDDQ#A8) U43.B2(VDD#B2) U43.C1(VDDQ#C1) U43.C9(VDDQ#C9) U43.D2(VDDQ#D2) U43.D9(VDD#D9) U43.E9(VDDQ#E9) U43.F1(VDDQ#F1) U43.G7(VDD#G7) U43.H2(VDDQ#H2) U43.H9(VDDQ#H9) U43.K2(VDD#K2) U43.K8(VDD#K8) U43.N1(VDD#N1) U43.N9(VDD#N9) U43.R1(VDD#R1) U43.R9(VDD#R9)
